# Altium PCB board_ordered.PcbDoc (part 3 of 3)
Units mm, origin at the board's own origin, x right, y up, seen from the top; angles counter-clockwise.
Board outline 100 x 60 mm, 4 copper layers (Top Layer, Mid Layer 1, Mid Layer 2, Bottom Layer), stack 1.57 mm thick; 237 components, 177 nets, 834 pads, 365 vias.
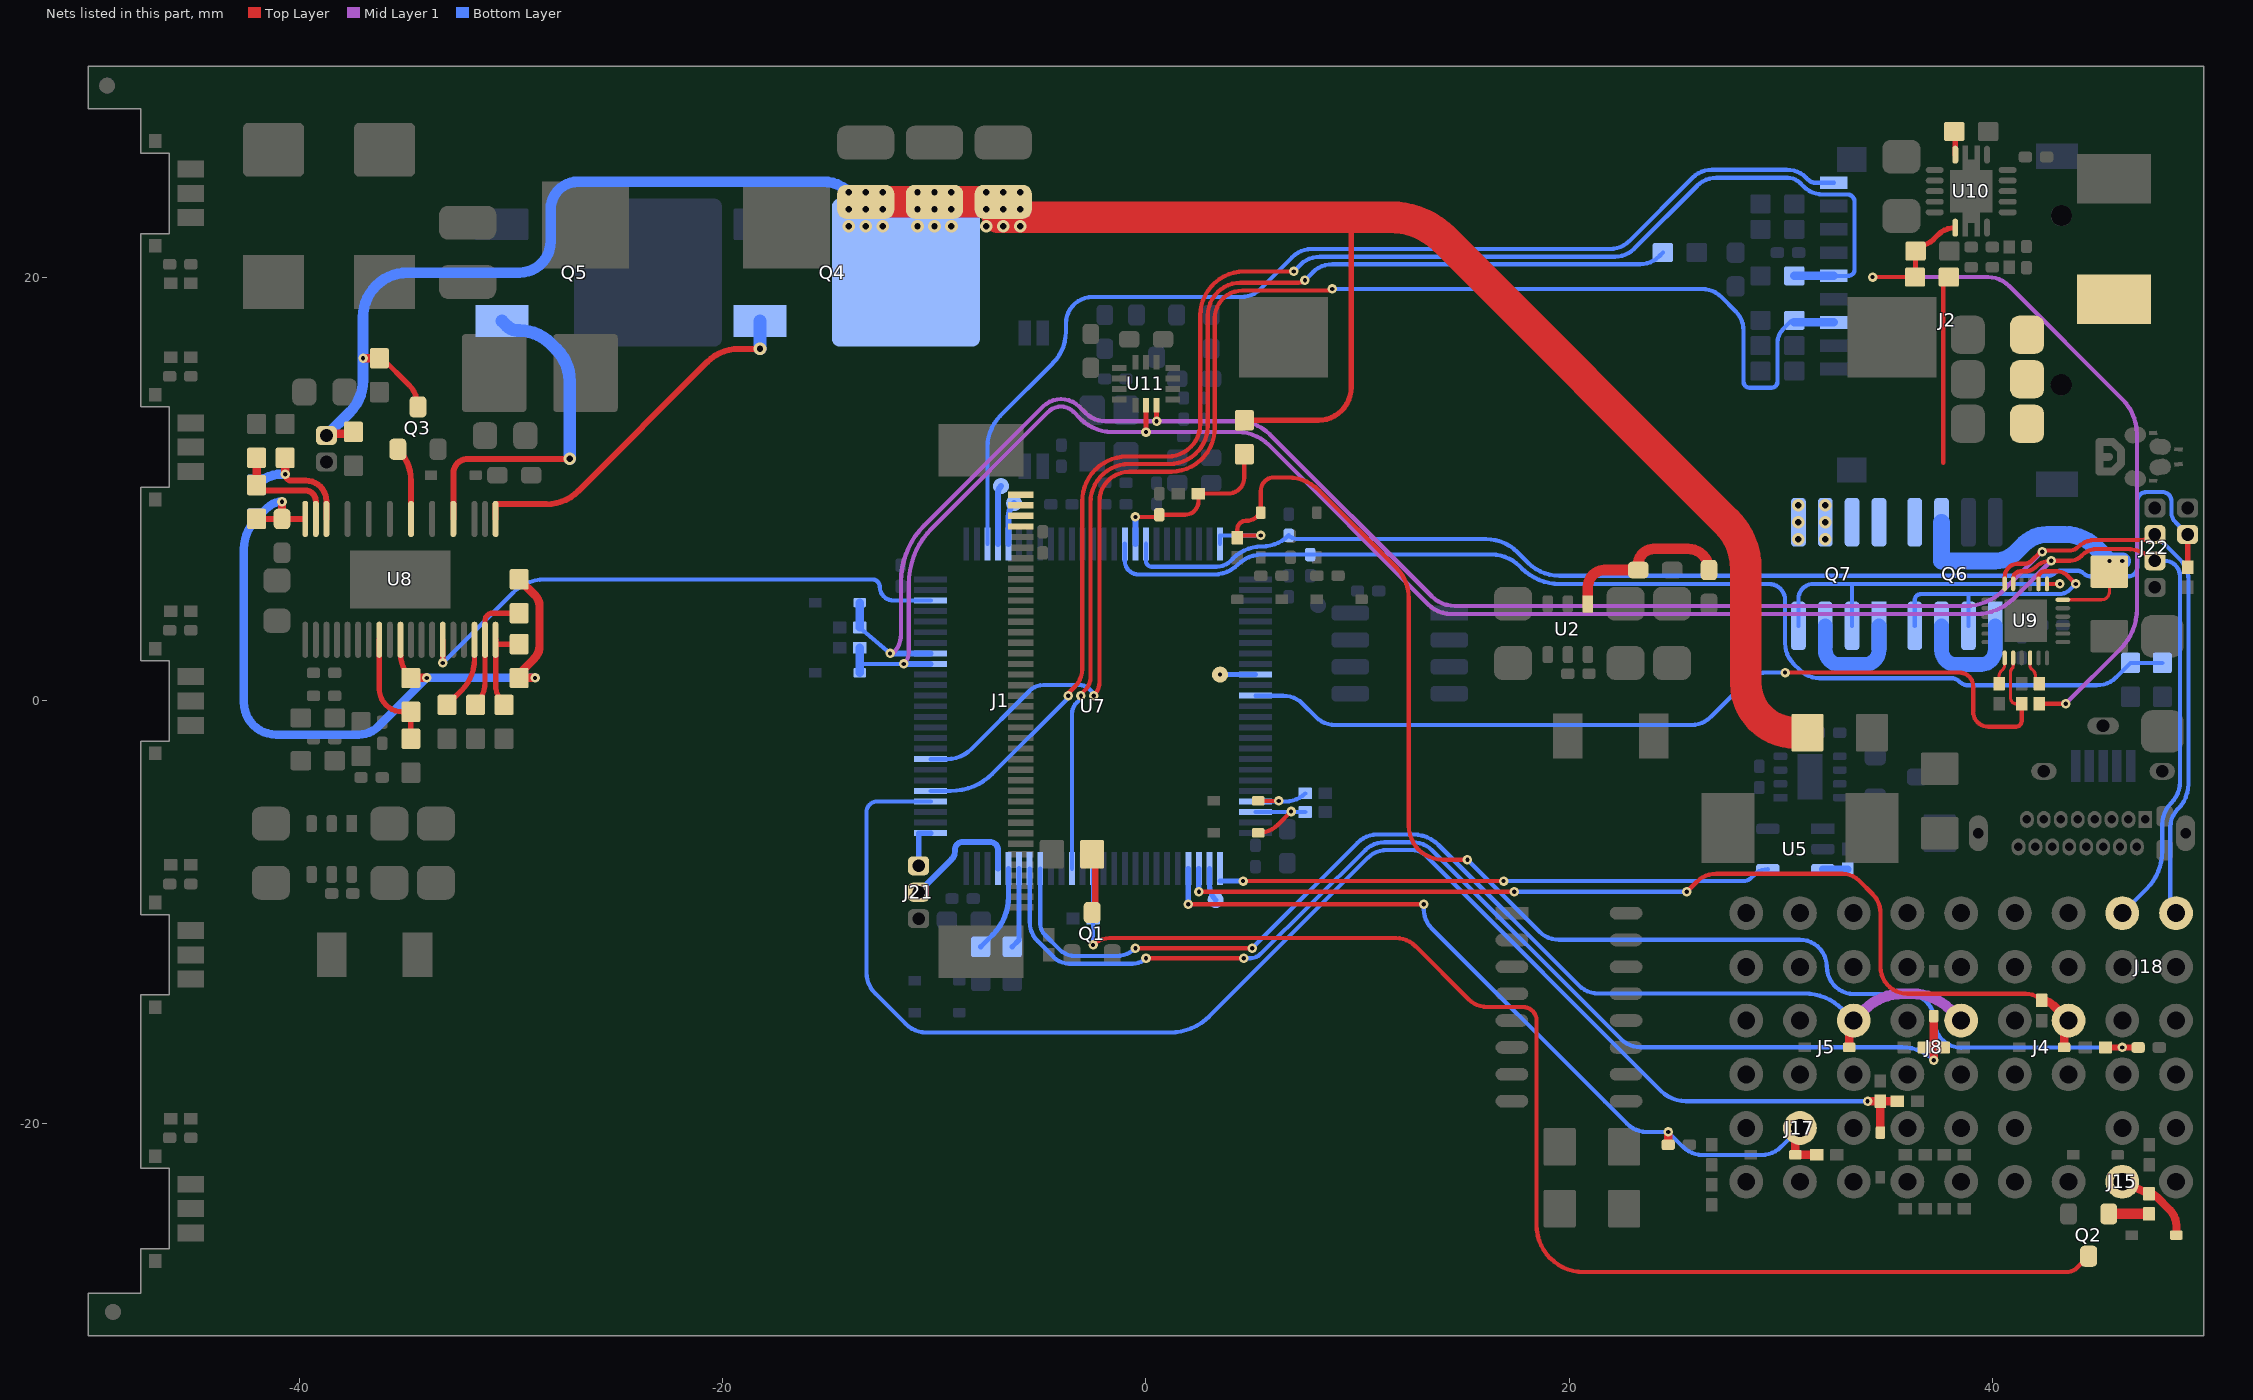
[diagram p5: the nets of this part, all layers, seen from the top]

## Via types
v1: diameter 0.45, hole 0.2, Top Layer to Bottom Layer, tented both sides, 224 vias
v2: diameter 0.6, hole 0.3, Top Layer to Bottom Layer, tented both sides, 135 vias
v3: diameter 0.61, hole 0.305, Top Layer to Bottom Layer, tented bottom, 6 vias

## Nets (pads, with @x,y where several pads share a name; then routed paths per layer and width w, separated by ;. In a path a pad name is that pad's centre, name@x,y a point inside that pad or via, vN(x,y) a via of type N, cw(c..) or ccw(c..) an arc to the next point about the centre after c; other vN are vias at no path point) (continued)
NetQ1_3: Q1.3 R12.2 | length 2.9
  Top Layer w0.3: Q1.3@-2.548,-10 -2.395,-9.847 -2.395,-7.403 R12.2@-2.548,-7.25
NetQ2_1: Q2.1 R25.2 | length 1.9
  Top Layer w0.5: Q2.1@45.52,-24.25 R25.2@47.423,-24.25
NetQ3_1: Q3.1 U8.28 | length 3.5
  Top Layer w0.28: Q3.1@-35.37,11.901 -35.368,11.899 cw(c-36.858,10.408) -34.75,10.408 U8.28@-34.75,8.607
NetQ4_1: Q4.1 U8.20 | length 17.4
  Top Layer w0.28: U8.20@-30.75,8.607 -30.75,9.304 -28.341,9.304 ccw(c-28.341,11.412) -26.85,9.921 -20.739,16.032 cw(c-19.248,14.542) -19.248,16.65 v2(-18.25,16.65)
  Bottom Layer w0.6: v2(-18.25,16.65) Q4.1@-18.25,17.964
NetQ5_1: Q5.1 U8.24 | length 16.2
  Top Layer w0.28: U8.24@-32.75,8.607 -32.75,10.75 cw(c-32.05,10.75) -32.05,11.45 v2@-27.45,11.45
  Bottom Layer w0.6: Q5.1@-30.45,17.964 -30.212,17.726 ccw(c-29.7,18.238) -29.7,17.514 -29.637,17.514 cw(c-29.637,15.406) -28.147,16.897 -27.867,16.617 cw(c-29.358,15.127) -27.866,16.616 cw(c-29.358,15.127) -27.25,15.127 v2(-27.25,11.45)
NetQ6_1: Q6.1 Q6.3 | length 5.6
  Bottom Layer w0.7: Q6.3@37.615,3.55 37.615,2.411 ccw(c38.298,2.411) 38.298,1.727 39.472,1.727 ccw(c39.472,2.411) 40.155,2.411 Q6.1@40.155,3.55
NetQ6_2: Q6.2 Q6.4 U9.14 | length 13.1
  Top Layer w0.2: U9.14@42.2,5.537 42.2,5.837 cw(c42.491,5.837) 42.491,6.129 43.068,6.129 cw(c43.068,5.408) 43.578,5.918 v1(43.958,5.537)
  Bottom Layer w0.2: Q6.4@36.345,3.55 36.345,4.769 cw(c36.63,4.769) 36.63,5.053 38.885,5.053 ; Q6.2@38.885,3.55 38.885,5.053 ; v1(43.958,5.537) 43.691,5.271 cw(c43.167,5.795) 43.167,5.053 38.885,5.053
NetQ6_5,6: Q6.5 Q6.6 Q7.7 Q7.8 R56.1 U9.12 | length 14.6
  Top Layer w0.15: U9.12@43.35,4.787 45.181,4.787 ccw(c45.181,5.156) 45.55,5.156 R56.1@45.55,6.111
  Bottom Layer w0.8: Q6.6@37.615,8.45 37.615,6.619 40.149,6.619 ccw(c40.149,7.975) 41.107,7.016 41.505,7.414 ; 41.506,7.414 cw(c42.619,6.299) 42.619,7.875 43.435,7.875 cw(c43.435,5.801) 44.902,7.268 v1(45.55,6.619) v1(46.16,6.619)
NetQ7_1: Q7.1 Q7.3 | length 5.6
  Bottom Layer w0.7: Q7.3@32.115,3.55 32.115,2.411 ccw(c32.798,2.411) 32.798,1.727 33.972,1.727 ccw(c33.972,2.411) 34.655,2.411 Q7.1@34.655,3.55
NetQ7_2: Q7.2 Q7.4 U9.13 | length 16.6
  Top Layer w0.2: U9.13@42.6,5.537 v1(43.208,5.537)
  Bottom Layer w0.2: Q7.4@30.845,3.55 30.845,4.816 cw(c31.567,4.816) 31.567,5.537 33.385,5.537 ; Q7.2@33.385,3.55 33.385,5.537 ; v1(43.208,5.537) 33.385,5.537
NetR8_1: R8.1 R9.2 U2.1 | length 8.2
  Top Layer w0.5: U2.1@20.895,4.594 20.895,5.394 cw(c21.695,5.394) 21.695,6.194 R8.1@23.273,6.194 23.273,6.463 cw(c24.001,6.463) 24.001,7.191 25.623,7.191 cw(c25.623,6.194) R9.2@26.619,6.194
NetR13_1: R13.1 U5.3 | length 1.2
  Bottom Layer w0.35: U5.3@32,-7.95 R13.1@33.173,-7.95
NetR26_1: R26.1 U7.70 | length 3.8
  Bottom Layer w0.25: R26.1@-6.324,-11.621 -6,-11.296 U7.70@-6,-7.93
NetR27_1: R27.1 U7.71 | length 4.1
  Bottom Layer w0.25: R27.1@-7.814,-11.621 -7.244,-11.051 ccw(c-9.04,-9.255) -6.5,-9.255 U7.71@-6.5,-7.93
NetR35_2: R35.2 R43.1 U8.37 | length 5.3
  Top Layer w0.28: R35.2@-42.052,10.208 -41.794,9.95 -39.75,9.95 cw(c-39.75,9.45) -39.25,9.45 U8.37@-39.25,8.607
  Top Layer w0.4: R35.2@-42.052,10.208 R43.1@-42.052,11.494
NetR36_2: R36.2 R44.1 U8.36 | length 5.8
  Top Layer w0.28: v1(-40.7,10.725) ccw(c-40.39,10.725) -40.39,10.415 -39.717,10.415 cw(c-39.717,9.449) -38.75,9.449 U8.36@-38.75,8.607
  Top Layer w0.4: v1(-40.7,10.725) R44.1@-40.7,11.494
  Bottom Layer w0.45: R36.2@-42.052,10.225 cw(c-40.845,9.018) -40.845,10.725 v1(-40.7,10.725)
NetR37_2: R37.2 R45.1 U8.18 | length 5.9
  Top Layer w0.25: R45.1@-31.696,-0.186 ccw(c-32.772,0.89) -31.25,0.89 U8.18@-31.25,2.892 -31.25,3.797 cw(c-30.898,3.797) -30.898,4.15 R37.2@-29.636,4.15
NetR38_2: R38.2 R46.1 U8.19 | length 4.3
  Top Layer w0.25: U8.19@-30.75,2.892 U8.19@-30.75,2.689 ; R46.1@-30.348,-0.186 cw(c-29.378,0.785) -30.75,0.785 U8.19@-30.75,2.689 ; R38.2@-29.636,2.689 U8.19@-30.75,2.689
NetR39_2: R39.2 R42.1 U8.8 | length 5.7
  Top Layer w0.25: U8.8@-36.25,2.892 -36.25,0.576 ccw(c-35.163,0.576) -35.163,-0.512 R39.2@-34.76,-0.512 R42.1@-34.76,-1.786
NetR52_1: R52.1 U8.17 | length 3.5
  Top Layer w0.25: R52.1@-33.044,-0.186 -32.368,0.49 ccw(c-33.858,1.981) -31.75,1.981 U8.17@-31.75,2.892
NetR58_1: R58.1 R59.2 R63.1 U10.7 | length 36.4
  Top Layer w0.2: v1(34.355,20.041) R59.2@36.36,20.041 ; R58.1@42.238,-0.131 v1(43.481,-0.131)
  Top Layer w0.25: R59.2@36.386,20.103 R63.1@36.386,21.267 ; R63.1@36.539,21.529 ccw(c36.539,22.486) 37.215,21.809 37.449,22.043 cw(c38.262,21.23) U10.7@38.262,22.38
  Mid Layer 1 w0.2: v1(34.355,20.041) 39.813,20.041 cw(c39.813,18.659) 40.79,19.636 46.171,14.255 cw(c44.533,12.616) 46.85,12.616 46.85,4.333 cw(c44.209,4.333) 46.076,2.465 v1(43.481,-0.131)
NetR58_2: R58.2 U9.4 | length 1.4
  Top Layer w0.15: U9.4@41.8,2.037 41.8,1.671 ccw(c42.012,1.671) 41.862,1.522 41.966,1.417 cw(c41.764,1.214) 42.05,1.214 ccw(c42.546,1.214) 42.196,0.864 R58.2@42.238,0.821
NetR61_1: R61.1 U9.1 | length 1.3
  Top Layer w0.15: R61.1@40.335,0.821 40.335,1.176 cw(c40.681,1.176) 40.437,1.42 40.5,1.484 ccw(c40.259,1.725) 40.6,1.725 U9.1@40.6,2.037
NetR62_2: R62.2 U10.1 | length 1.1
  Top Layer w0.25: R62.2@38.215,26.924 cw(c38.215,26.874) 38.265,26.874 U10.1@38.265,25.829
NetTP5_1: TP5.1 U7.35 | length 1.7
  Bottom Layer w0.25: v1(3.5,1.25) U7.35@5.18,1.25
NetTP7_1: TP7.1 U7.52 | length 1.6
  Bottom Layer w0.25: U7.52@3,-7.93 3,-8.698 ccw(c4.005,-8.698) TP7.1@3.294,-9.408
NetTP8_1: TP8.1 U7.4 | length 2.8
  Bottom Layer w0.28: U7.4@-7,7.43 -7,9.813 cw(c-6.506,9.813) TP8.1@-6.855,10.162
NetTP9_1: TP9.1 U7.5 | length 2
  Bottom Layer w0.28: U7.5@-6.5,7.43 -6.5,8.715 cw(c-5.595,8.715) TP9.1@-6.235,9.355
NTC: C74.2 J23.1 R71.2 U7.18 | length 57.9
  Top Layer w0.25: R71.2@49.25,6.327 J23.1@49.25,7.875
  Bottom Layer w0.2: U7.18@0,7.43 0,6.613 ccw(c0.262,6.613) 0.262,6.351 3.348,6.351 ccw(c3.348,7.274) 4,6.621 4.125,6.745 cw(c5.474,5.396) 5.474,7.304 ccw(c5.474,9.102) C74.2@6.746,7.831 ccw(c7.176,8.261) 7.176,7.653 16.073,7.653 cw(c16.073,5.545) 17.563,7.037 cw(c16.073,5.545) 17.564,7.036 18.061,6.539 ccw(c19.551,8.029) 18.062,6.538 ccw(c19.551,8.029) 19.551,5.921 42.657,5.921 ccw(c42.657,6.331) 42.947,6.041 cw(c43.237,5.751) 43.237,6.161 44.015,6.161 cw(c44.015,5.703) 44.339,6.027 ; 44.339,6.027 ccw(c44.663,6.351) 44.663,5.893 46.45,5.893 ccw(c46.45,6.306) 46.863,6.306 46.863,9.435 cw(c47.308,9.435) 47.308,9.88 48.05,9.88 cw(c48.05,9.449) 48.481,9.449 48.481,8.915 ccw(c49.136,8.915) 48.673,8.452 J23.1@49.25,7.875
PGOOD: U7.98 U8.14 | length 26.3
  Top Layer w0.28: v1(-33.25,1.8) U8.14@-33.25,2.892
  Bottom Layer w0.2: v1(-33.25,1.8) -29.918,5.133 cw(c-28.427,3.642) -29.917,5.134 cw(c-28.427,3.642) -28.427,5.75 -12.945,5.75 cw(c-12.945,5.387) -12.583,5.387 ccw(c-11.945,5.387) -11.945,4.75 U7.98@-10.18,4.75
RX_BTN_0: D4.2 R18.2 R19.2 U7.79 | length 70.7
  Top Layer w0.4: v1(34.115,-18.92) R18.2@34.723,-18.92 ; D4.2@34.723,-20.405 R18.2@34.723,-18.92 ; R19.2@35.524,-18.92 R18.2@34.723,-18.92
  Bottom Layer w0.2: U7.79@-10.18,-4.75 -12.704,-4.75 ccw(c-12.704,-5.261) -13.215,-5.261 -13.215,-12.845 ccw(c-11.844,-12.845) -12.814,-13.815 -11.355,-15.274 ccw(c-10.385,-14.304) -10.385,-15.675 1.133,-15.675 ccw(c1.133,-13.034) 3.001,-14.902 10.481,-7.422 cw(c11.397,-8.338) 11.397,-7.043 12.568,-7.043 cw(c12.568,-7.986) 13.235,-7.319 24.355,-18.439 ccw(c25.516,-17.278) 25.516,-18.92 v1(34.115,-18.92)
RX_BTN_1: D6.2 R20.2 R21.2 U7.69 | length 55.6
  Top Layer w0.2: v1(0,-12.16) v1(4.618,-12.16)
  Top Layer w0.4: R21.2@36.799,-16.38 37.244,-16.38 ; v1(37.244,-16.988) 37.244,-16.38 ; D6.2@37.244,-14.895 37.244,-16.38 ; R20.2@37.689,-16.38 37.244,-16.38
  Bottom Layer w0.2: U7.69@-5.5,-7.93 -5.5,-10.439 ccw(c-4.205,-10.439) -5.121,-11.355 -4.364,-12.112 ccw(c-3.619,-11.368) -3.619,-12.421 -0.629,-12.421 ccw(c-0.629,-11.53) v1(0,-12.16) ; v1(4.618,-12.16) 4.947,-12.162 ccw(c4.947,-11.537) 5.389,-11.979 10.361,-7.064 ; 10.356,-7.058 cw(c11.272,-7.974) 11.272,-6.679 12.61,-6.679 cw(c12.61,-7.974) 13.526,-7.058 22.456,-15.988 ccw(c23.372,-15.072) 23.372,-16.368 35.746,-16.368 cw(c35.746,-18.486) v1(37.244,-16.988)
RX_GPS: D18.2 R49.2 U7.48 | length 4.3
  Top Layer w0.2: D18.2@5.305,-6.235 ccw(c5.305,-4.921) 6.234,-5.85 v1(6.86,-5.225)
  Bottom Layer w0.2: U7.48@5.18,-5.25 R49.2@7.524,-5.25
SCL: D16.2 J18.1 J22.2 R23.1 U7.92 U9.17 U11.13 | length 98.6
  Top Layer w0.2: U9.17@41,5.537 41,5.785 cw(c41.344,5.785) 41.344,6.129 41.573,6.129 ccw(c41.573,6.805) 42.05,6.327 cw(c42.777,5.6) 42.777,6.628 v1(42.803,6.628) 43.687,6.628 ccw(c43.687,7.372) 44.213,6.846 44.267,6.9 cw(c44.969,6.198) 44.969,7.191 46.335,7.191 cw(c46.335,5.26) J22.2@47.7,6.625
  Top Layer w0.25: v1(0,12.717) U11.13@0,13.987
  Mid Layer 1 w0.2: v1(-11.45,1.75) ccw(c-12.006,2.306) -11.22,2.306 -11.22,5.519 cw(c-7.471,5.519) -10.122,8.17 -4.626,13.665 cw(c-4.013,13.052) -4.013,13.919 cw(c-4.013,13.103) -3.436,13.68 -3.091,13.335 ccw(c-1.6,14.825) -1.6,12.717 v1(0,12.717) 4.319,12.717 cw(c4.319,10.609) 5.81,12.1 13.339,4.571 ; 13.339,4.571 ccw(c14.439,5.671) 14.439,4.115 39.238,4.115 ccw(c39.238,6.655) 41.034,4.859 v1(42.803,6.628)
  Bottom Layer w0.2: -13.536,1.75 v1(-11.45,1.75) ; J18.1@46.16,-10.03 47.306,-8.884 ccw(c45.51,-7.088) 48.05,-7.088 48.05,-5.842 cw(c49.477,-5.842) 48.468,-4.833 ; J22.2@47.7,6.625 48.167,6.625 cw(c48.167,5.906) 48.886,5.906 48.886,-3.823 cw(c47.459,-3.823) 48.468,-4.832
  Bottom Layer w0.28: v1(-11.45,1.75) U7.92@-10.18,1.75
  Bottom Layer w0.4: D16.2@-13.536,1.335 -13.536,1.75 R23.1@-13.536,2.512
SD_DET: J2.9 U7.3 | length 51.2
  Bottom Layer w0.2: U7.3@-7.5,7.43 -7.5,12.001 cw(c-5.392,12.001) -6.884,13.491 cw(c-5.392,12.001) -6.883,13.492 -4.405,15.97 ccw(c-5.895,17.46) -4.404,15.97 ccw(c-5.895,17.46) -3.787,17.46 -3.787,17.842 cw(c-2.529,17.842) -2.529,19.1 4.492,19.1 ccw(c4.492,20.396) 5.408,19.48 6.918,20.99 cw(c7.834,20.074) 7.834,21.369 21.936,21.369 ccw(c21.936,22.665) 22.852,21.749 25.845,24.741 cw(c26.761,23.825) 26.761,25.121 30.296,25.121 cw(c30.296,23.825) 31.212,24.741 31.307,24.646 ccw(c31.661,25) 31.661,24.499 J2.9@32.524,24.499
SDA: D17.2 J18.2 J22.3 R24.1 U7.93 U9.18 U11.14 | length 99.3
  Top Layer w0.2: U9.18@40.6,5.537 40.6,5.874 cw(c41.21,5.874) 41.21,6.484 41.515,6.484 ccw(c41.515,6.975) 41.862,6.628 42.239,7.005 cw(c42.372,6.872) v1(42.372,7.06) cw(c42.5,6.932) 42.5,7.113 43.661,7.113 ccw(c43.661,7.682) 44.063,7.28 cw(c44.859,6.484) 44.859,7.609 47.058,7.609 ccw(c47.058,8.517) J22.3@47.7,7.875
  Top Layer w0.25: v1(0.5,13.225) U11.14@0.5,13.987
  Mid Layer 1 w0.2: v1@-11.957,2.251 ccw(c-12.867,3.159) -11.581,3.159 -11.581,5.653 cw(c-7.832,5.653) -10.483,8.304 -4.866,13.922 cw(c-4.013,13.069) -4.013,14.275 cw(c-4.013,13.068) -3.16,13.921 -2.848,13.61 ccw(c-1.92,14.538) -1.92,13.225 v1(0.5,13.225) 4.361,13.225 cw(c4.361,11.117) 5.851,12.609 cw(c4.361,11.117) 5.852,12.608 13.508,4.952 ccw(c14.609,6.052) 14.609,4.496 38.755,4.496 ccw(c38.755,7.036) 40.552,5.24 v1(42.372,7.06)
  Bottom Layer w0.2: R24.1@-13.536,3.475 v1(-12.101,2.25) ; J22.3@47.7,7.875 48.886,6.689 cw(c47.923,5.726) 49.285,5.726 49.285,-3.921 cw(c47.62,-3.921) 48.797,-5.098 48.784,-5.112 ccw(c49.634,-5.962) 48.431,-5.962 48.431,-9.761 J18.2@48.7,-10.03
  Bottom Layer w0.28: v1(-12.101,2.25) U7.93@-10.18,2.25
  Bottom Layer w0.4: R24.1@-13.536,3.475 D17.2@-13.536,4.651
SDIO_CLK: J2.5 R1.1 U7.80 | length 71
  Top Layer w0.2: v1(-3.677,0.25) -3.677,0.368 -3.346,0.7 ; -3.345,0.701 ccw(c-4.146,1.5) -3.014,1.5 -3.014,9.449 cw(c-0.906,9.449) -0.906,11.557 1.022,11.557 ccw(c1.022,13.105) 2.569,13.105 2.569,18.23 cw(c4.649,18.23) 4.649,20.31 v1(6.984,20.31)
  Bottom Layer w0.2: U7.80@-10.18,-4.25 -9.228,-4.25 ccw(c-9.228,-1.465) -7.259,-3.434 -3.677,0.148 v1(-3.677,0.25) ; v1(6.984,20.31) 7.301,20.626 cw(c8.217,19.71) 8.217,21.006 22.171,21.006 ccw(c22.171,22.301) 23.087,21.385 26.062,24.36 cw(c26.978,23.444) 26.978,24.74 30.335,24.74 cw(c30.335,23.92) 30.915,24.499 31.083,24.33 ccw(c31.999,25.246) 31.68,23.991 ccw(c31.999,25.246) 31.999,23.951 33.149,23.951 cw(c33.149,23.6) 33.5,23.6 33.5,20.398 cw(c33.202,20.398) 33.202,20.1 J2.5@32.524,20.099
  Bottom Layer w0.4: R1.1@30.654,20.099 31.817,20.099 ccw(c31.817,22.639) 31.821,20.099 J2.5@32.524,20.099
SDIO_CMD: J2.3 R2.1 U7.83 | length 67.4
  Top Layer w0.2: v1(-2.472,0.25) ccw(c-3.126,0.904) -2.201,0.904 -2.201,9.432 cw(c-0.792,9.432) -0.792,10.841 1.2,10.841 ccw(c1.176,12.92) 3.255,12.92 3.255,18.111 cw(c4.548,18.111) 4.548,19.404 v1@8.803,19.404
  Bottom Layer w0.2: U7.83@-10.18,-2.75 -9.412,-2.75 ccw(c-9.412,-1.113) -8.254,-2.271 -5.499,0.485 cw(c-4.858,-0.156) -4.858,0.75 -3.138,0.75 cw(c-3.138,0.084) -2.668,0.555 ; -2.667,0.555 -2.472,0.36 v1(-2.472,0.25) ; v1(8.803,19.48) 26.288,19.48 cw(c26.288,18.184) 27.204,19.1 27.874,18.43 cw(c26.958,17.514) 28.254,17.514 28.254,15.086 ccw(c28.526,15.086) 28.526,14.814 29.582,14.814 ccw(c29.582,15.086) 29.854,15.086 29.854,16.936 cw(c30.769,16.936) 30.122,17.583 R2.1@30.457,17.918 ; R2.1@30.457,17.918 cw(c30.654,17.72) R2.1@30.654,17.999
  Bottom Layer w0.4: R2.1@30.654,17.899 J2.3@32.524,17.899
SDIO_D0: R7.2 U7.65 | length 53.3
  Top Layer w0.2: v1(-3.075,0.25) -3.075,0.32 -2.852,0.542 ; -2.852,0.543 ccw(c-3.389,1.079) -2.63,1.079 -2.63,9.368 cw(c-0.791,9.368) -0.791,11.207 1.11,11.207 ccw(c1.11,13.021) 2.923,13.021 2.923,18.227 cw(c4.473,18.227) 4.473,19.777 7.227,19.777 ccw(c7.227,20.18) v1(7.512,19.895)
  Bottom Layer w0.2: U7.65@-3.5,-7.93 -3.5,-0.601 cw(c-2.774,-0.601) -3.287,-0.087 -3.075,0.125 v1(-3.075,0.25) ; v1(7.512,19.895) 7.888,20.271 cw(c8.804,19.355) 8.804,20.65 23.353,20.65 ccw(c23.353,21.946) 24.269,21.03 R7.2@24.439,21.199
SNS_SRV: C13.2 D1.2 R11.1 R14.2 U7.25 | length 67.8
  Top Layer w0.2: v1(5.428,7.828) 4.563,7.828 ccw(c4.563,7.481) R14.2@4.318,7.726 4.318,8.122 cw(c4.713,8.122) 4.713,8.518 4.745,8.518 ccw(c4.745,9.234) 5.252,8.727 D1.2@5.428,8.903 5.428,9.939 cw(c6.06,9.939) 6.06,10.571 6.697,10.571 cw(c6.697,8.463) 8.187,9.954 11.809,6.332 cw(c10.318,4.842) 11.81,6.331 cw(c10.318,4.842) 12.426,4.842 12.426,-5.904 ccw(c14.026,-5.904) 14.026,-7.503 v1(15.194,-7.503)
  Top Layer w0.3: R11.1@45.366,-16.38 v1(46.16,-16.38) C13.2@46.906,-16.38
  Bottom Layer w0.2: U7.25@3.5,7.43 3.5,7.828 v1(5.428,7.828) ; v1(15.194,-7.503) 18.6,-10.908 ccw(c19.515,-9.992) 19.515,-11.288 30.913,-11.288 cw(c30.913,-12.558) 32.183,-12.558 ; 32.196,-12.582 ccw(c33.466,-12.582) 33.466,-13.852 36.006,-13.852 cw(c36.006,-15.122) 37.112,-14.498 cw(c36.006,-15.122) 37.276,-15.122 ccw(c38.546,-15.122) 38.546,-16.392 v1(46.16,-16.38)
SNS_USB: C40.2 R54.2 R55.1 U7.16 | length 54.7
  Bottom Layer w0.2: U7.16@-1,7.43 -1,6.619 ccw(c-0.365,6.619) -0.365,5.984 3.217,5.984 ccw(c3.217,7.587) 4.35,6.453 ; 4.35,6.453 cw(c5.484,5.32) 5.484,6.923 C40.2@7.762,6.923 16.343,6.923 cw(c16.343,5.058) 17.661,6.377 cw(c16.343,5.058) 17.662,6.376 17.759,6.28 ccw(c19.561,8.082) 19.561,5.533 29.453,5.533 cw(c29.453,4.769) 30.218,4.769 30.218,2.725 ccw(c31.589,2.725) 30.618,1.756 ; 30.619,1.755 30.915,1.46 ccw(c31.831,2.376) 31.831,1.08 38.061,1.08 cw(c38.061,0.508) 38.466,0.913 ccw(c38.885,1.332) 38.885,0.739 44.952,0.739 ccw(c44.952,2.034) 45.868,1.118 R55.1@46.55,1.8 R54.2@48.05,1.8
SNS_VB: C72.2 R67.2 R69.1 U7.17 | length 8.7
  Top Layer w0.2: v1(-0.5,8.7) 0.526,8.7 ccw(c0.526,8.806) C72.2@0.632,8.806 1.851,8.806 ccw(c1.851,9.432) 2.476,9.432 R69.1@2.476,9.806 3.883,9.806 ccw(c3.883,10.571) 4.648,10.571 R67.2@4.648,11.671
  Bottom Layer w0.28: U7.17@-0.5,7.43 v1(-0.5,8.7)
SRV_PWM: D2.2 J4.2 R10.1 U7.53 | length 48.5
  Top Layer w0.2: v1(2.5,-9.022) v1(17.407,-9.022) ; v1(25.566,-9.022) 26.041,-8.547 cw(c26.957,-9.463) 26.957,-8.168 32.934,-8.168 cw(c32.934,-9.262) 33.707,-8.489 34.358,-9.139 cw(c33.46,-10.037) 34.73,-10.037 34.73,-12.57 ccw(c36,-12.57) 36,-13.84 ; 36.006,-13.84 41.582,-13.84 cw(c41.582,-14.926) R10.1@42.35,-14.158
  Top Layer w0.4: R10.1@42.35,-14.158 cw(c42.35,-14.926) 42.892,-14.383 J4.2@43.62,-15.11 43.405,-15.325 D2.2@43.405,-16.38
  Bottom Layer w0.2: v1(17.407,-9.022) v1(25.566,-9.022)
  Bottom Layer w0.25: v1(2.5,-9.022) U7.53@2.5,-7.93
SRV_PWR_EN: U5.4 U7.51 | length 26.1
  Top Layer w0.2: v1(4.592,-8.514) v1(16.906,-8.514)
  Bottom Layer w0.2: v1(16.906,-8.514) 28.249,-8.514 ccw(c28.249,-8.006) 28.609,-8.365 28.757,-8.217 cw(c29.4,-8.859) U5.4@29.4,-7.95
  Bottom Layer w0.25: U7.51@3.5,-8.514 v1(4.592,-8.514)
SWCLK: J21.1 U7.76 | length 2.1
  Bottom Layer w0.254: J21.1@-10.75,-7.792 -10.75,-6.25 U7.76@-10.18,-6.25
SWDIO: J21.2 U7.72 | length 6
  Bottom Layer w0.28: J21.2@-10.75,-9.042 -9.186,-7.478 ccw(c-9.548,-7.116) -9.036,-7.116 -9.036,-7.044 cw(c-8.651,-7.044) -8.651,-6.659 -7.385,-6.659 cw(c-7.385,-7.044) -7,-7.044 U7.72@-7,-7.93
TACHO: Q2.3 R22.1 U7.63 | length 63.6
  Top Layer w0.2: v1(-2.5,-11.533) cw(c-1.724,-12.309) -1.724,-11.212 11.818,-11.212 cw(c11.818,-12.507) 12.734,-11.591 15.234,-14.091 ccw(c16.15,-13.175) 16.15,-14.471 17.827,-14.471 cw(c17.827,-15.11) 18.466,-15.11 18.466,-24.776 ccw(c20.692,-24.776) 20.692,-27.002 43.517,-27.002 ccw(c43.517,-26.277) 44.03,-26.79 Q2.3@44.57,-26.25
  Bottom Layer w0.2: v1(-2.5,-11.533) R22.1@-2.5,-10.286 U7.63@-2.5,-7.93
TACHO_I: D12.2 J15.2 R25.1 | length 3.9
  Top Layer w0.381: J15.2@46.16,-22.73 R25.1@47.423,-23.298 cw(c47.423,-23.827) 47.797,-23.453 48.403,-24.059 ; 48.403,-24.059 cw(c47.652,-24.81) 48.714,-24.81 D12.2@48.714,-25.25
TX_BTN: D7.2 J5.2 J8.2 U7.68 | length 54.8
  Top Layer w0.2: v1(-0.5,-11.686) v1(5.024,-11.686)
  Top Layer w0.4: D7.2@33.245,-16.38 33.245,-15.325 J5.2@33.46,-15.11
  Mid Layer 1 w0.5: J5.2@33.46,-15.11 33.986,-14.584 cw(c35.782,-16.38) 35.782,-13.84 36.217,-13.84 cw(c36.217,-16.38) 38.014,-14.584 J8.2@38.54,-15.11
  Bottom Layer w0.2: U7.68@-5,-7.93 -5,-10.544 ccw(c-4.284,-10.544) -4.79,-11.051 -4.094,-11.747 ccw(c-3.35,-11.003) -3.35,-12.055 -1.392,-12.055 ccw(c-1.392,-10.794) v1(-0.5,-11.686) ; v1@-0.445,-11.755 v1@-0.371,-11.695 ; v1(5.024,-11.686) 10.016,-6.694 cw(c10.932,-7.61) 10.932,-6.315 12.65,-6.315 cw(c12.65,-7.967) 13.818,-6.799 20.468,-13.448 ccw(c21.384,-12.532) 21.384,-13.828 31.125,-13.828 cw(c31.125,-16.368) 32.921,-14.572 J5.2@33.46,-15.11
TX_GPS: D15.2 R48.1 U7.47 | length 3.4
  Top Layer w0.2: D15.2@5.305,-4.725 v1(6.272,-4.725)
  Bottom Layer w0.2: U7.47@5.18,-4.75 6.606,-4.75 ccw(c6.606,-3.452) R48.1@7.524,-4.37
USB_PD_EN: R57.2 U7.37 U9.2 | length 43.2
  Top Layer w0.15: U9.2@41,2.037 41,1.672 cw(c40.788,1.672) 40.938,1.522 ccw(c41.084,1.376) 40.878,1.376 40.878,0.131 ccw(c41.139,0.131) 41.139,-0.131 R57.2@41.4,-0.131
  Top Layer w0.2: v1(30.218,1.346) 38.456,1.346 cw(c38.456,0.696) 39.107,0.696 39.107,-0.506 ccw(c39.817,-0.506) 39.817,-1.216 41.131,-1.216 ccw(c41.131,-0.946) 41.4,-0.946 R57.2@41.4,-0.131
  Bottom Layer w0.2: U7.37@5.18,0.25 6.487,0.25 cw(c6.487,-1.045) 7.403,-0.129 8.033,-0.759 ccw(c8.949,0.157) 8.949,-1.138 25.784,-1.138 ccw(c25.784,0.157) 26.7,-0.759 28.425,0.967 cw(c29.341,0.051) 29.341,1.346 v1(30.218,1.346)
Vb: C19.2 C20.2 C21.2 F1.1 J12.1 Q3.3 Q4.2 R28.1 R33.1 R67.1 | length 111.5
  Top Layer w0.25: R28.1@-36.25,16.204 -36.11,16.204 -34.854,14.948 cw(c-35.9,13.901) Q3.3@-34.42,13.901 ; R67.1@4.648,13.271 8.148,13.271 ccw(c8.148,14.826) 9.703,14.826 9.703,22.876
  Top Layer w0.4: J12.1@-38.75,12.64 R33.1@-37.56,12.64 ; v1(-37.019,16.204) R28.1@-36.25,16.204
  Top Layer w1.5: C20.2@-13.25,23.6 C19.2@-10,23.6 C21.2@-6.75,23.6 ; C21.2@-7,22.876 9.703,22.876 11.553,22.876 cw(c11.553,19.279) 14.096,21.823 27.444,8.475 cw(c25.235,6.266) 28.359,6.266 28.359,0.834 ccw(c30.688,0.834) F1.1@31.253,-1.426
  Bottom Layer w0.5: J12.1@-38.75,12.55 -37.636,13.664 ccw(c-39.127,15.154) -37.019,15.154 v1(-37.019,16.204) -37.019,18.142 cw(c-34.911,18.142) -34.911,20.25 -29.637,20.25 ccw(c-29.637,21.741) -28.147,21.741 -28.147,23.25 cw(c-26.844,23.25) -26.844,24.552 -15.263,24.552 cw(c-15.263,22.837) v2(-14.05,24.05)
  other v2: -14.05,22.45 -13.25,22.45 -12.45,22.45 -10.8,22.45 -10,22.45 -9.2,22.45 -7.55,22.45 -6.75,22.45 -5.95,22.45 -14.05,23.25 -13.25,23.25 -12.45,23.25 -10.8,23.25 -10,23.25 -9.2,23.25 -7.55,23.25 -6.75,23.25 -5.95,23.25 -13.25,24.05 -12.45,24.05 -10.8,24.05 -10,24.05 -9.2,24.05 -7.55,24.05 -6.75,24.05 -5.95,24.05
Vint: C23.2 R35.1 R36.1 R37.1 R38.1 R39.1 U8.10 U8.38 | length 38
  Top Layer w0.25: U8.10@-35.25,2.892 -35.25,2.271 ccw(c-33.577,2.271) R39.1@-34.76,1.088
  Top Layer w0.28: R35.1@-42.052,8.607 C23.2@-40.85,8.607 U8.38@-39.75,8.607
  Top Layer w0.4: C23.2@-40.85,8.607 v1(-40.85,9.425) ; R39.1@-34.76,1.088 v1(-34.01,1.088) ; R37.1@-29.636,5.75 -28.879,4.993 cw(c-29.372,4.5) -28.675,4.5 -28.675,2.615 cw(c-29.572,2.615) -28.937,1.981 ; -28.938,1.981 -29.636,1.283 R38.1@-29.636,1.088 v1(-28.886,1.088)
  Bottom Layer w0.4: v1(-40.85,9.425) ccw(c-40.85,8.454) -41.536,9.141 R36.1@-42.052,8.625 ccw(c-40.609,7.181) -42.65,7.181 -42.65,-0.07 ccw(c-41.133,-0.07) -41.133,-1.588 -37.213,-1.588 ccw(c-37.213,-0.317) -36.314,-1.216 v1(-34.01,1.088) v1(-28.886,1.088)
Vusb: C51.2 C52.2 C53.2 L5.2 Q7.5 Q7.6 R59.1 | length 8.6
  Top Layer w0.2: 37.694,11.269 R59.1@37.694,19.878
  other v2: 30.845,7.648 32.115,7.648 30.845,8.45 32.115,8.45 30.845,9.252 32.115,9.252
WS2812: C30.2 D14.2 J17.2 R47.1 U7.54 | length 39.2
  Top Layer w0.2: v1(2,-9.61) v1(13.133,-9.61)
  Top Layer w0.4: C30.2@24.687,-20.984 v1(24.687,-20.376) ; J17.2@30.92,-20.19 30.705,-20.405 D14.2@30.705,-21.46 R47.1@31.714,-21.46
  Bottom Layer w0.2: v1(13.133,-9.61) 13.133,-9.835 ccw(c14.428,-9.835) 13.512,-10.751 21.681,-18.92 22.757,-19.996 ccw(c23.673,-19.08) 23.673,-20.376 v1(24.687,-20.376) 25.392,-21.081 ccw(c26.308,-20.165) 26.308,-21.46 29.113,-21.46 ccw(c29.113,-20.165) 30.029,-21.081 J17.2@30.92,-20.19
  Bottom Layer w0.25: v1(2,-9.61) U7.54@2,-7.93
X+: J1.3
X-: J1.1
Y+: J1.4
Y-: J1.2
pads on no net: J1.8 J2. J19.4 J20.A8 J20.B8 LOGO?. SW1.2 SW2.2 SW3.2 SW4.2 SW5.2 U7.7 U7.15 U7.66 U8.2 U8.11 U8.13 U9.5 U9.6 U9.7 U9.15 U9.20 U9.21 U9.22 U9.23 U9.24 U10.10 U11.4 U11.9 U11.10 U11.11

## Polygon pours and split planes (outlines as drawn)
GND on Top Layer "NONET_L02_P-001" (solid, remove dead copper, pour order 36): -29.453,-4.016 ccw(c-29.453,-2.533) -27.97,-2.533 -27.97,4.719 ccw(c-30.51,4.719) -30.51,7.259 -41.883,7.259 ccw(c-41.883,6.25) -42.892,6.25 -42.892,-3.369 ccw(c-42.245,-3.369) -42.245,-4.016
GND on Top Layer "NONET_L02_P-001" (solid, remove dead copper, pour order 30): 13.3,17.987 ccw(c10.658,17.987) 10.658,20.629 -3.087,20.629 ccw(c-3.087,14.091) -7.71,18.714 -14.174,12.25 ccw(c-9.162,7.238) -16.25,7.238 -16.25,3.098 -16.25,-13.378 ccw(c-14.878,-13.378) -14.878,-14.75 11.928,-14.75 ccw(c11.928,-13.378) 13.3,-13.378
GND on Top Layer "NONET_L02_P-001" (solid, pour order 49): -44,-15.296 -24.069,-15.296 -13.523,-4.75 -11.475,-4.75 -11.475,-11.78 -9.416,-13.84 13.005,-13.84 18.466,-19.301 18.466,-28 -44,-28
GND on Top Layer "NONET_L02_P-001" (solid, remove dead copper, pour order 48): 49.97,-24 27.11,-24 27.11,-8.76 49.97,-8.76
EARTH0 on Top Layer "NONET_L02_P-001" (solid, pour order 44): 50,28.067 -50,28.067 -50,30 50,30
EARTH1 on Top Layer "NONET_L02_P-001" (solid, pour order 42): -50,-28.067 50,-28.067 50,-30 -50,-30
GND on Top Layer "NONET_L02_P-001" (solid, remove dead copper, pour order 41): 33.249,27.865 33.249,12.662 ccw(c33.884,12.662) 33.884,12.027 39.956,12.027 ccw(c39.956,12.662) 40.591,12.662 40.591,18.002 cw(c41.226,18.002) 40.777,18.451 42.014,19.687 ccw(c41.565,20.136) 42.2,20.136 42.2,27.865
GND on Top Layer "NONET_L02_P-001" (solid, remove dead copper, pour order 37): 14.05,25 ccw(c14.05,26.4) 15.45,26.4 15.45,27.63 -43.784,27.63 -43.784,22.534 ccw(c-42.775,22.534) -42.775,21.525 -30.008,21.525 ccw(c-30.008,22.391) -29.142,22.391 -29.142,24.199 cw(c-28.341,24.199) -28.341,25
GND on Top Layer "NONET_L02_P-001" (solid, remove dead copper, pour order 35): -33.172,-4.016 -41.589,-4.016 ccw(c-41.589,-4.721) -42.295,-4.721 -42.295,-9.5 ccw(c-41.746,-9.5) -41.746,-10.048 -33.102,-10.048 ccw(c-33.102,-9.35) -32.404,-9.35 -32.404,-4.783 ccw(c-33.172,-4.783)
GND on Top Layer "NONET_L02_P-001" (solid, remove dead copper, pour order 34): 25.273,6.628 16.856,6.628 ccw(c16.856,5.923) 16.15,5.923 16.15,1.144 ccw(c16.699,1.144) 16.699,0.596 25.343,0.596 ccw(c25.343,1.294) 26.041,1.294 26.041,5.86 ccw(c25.273,5.86)
GND on Top Layer "NONET_L02_P-001" (solid, remove dead copper, pour order 29): 1.58,18.542 1.58,14.094 -3.346,14.094 -3.346,15.634 -3.346,17.89 cw(c-2.693,17.89) -2.693,18.542
GND on Bottom Layer "NONET_L02_P-001" (solid, pour order 52): 18.466,-22.22 ccw(c15.926,-22.22) 17.722,-20.424 14.911,-17.613 ccw(c13.115,-19.409) 13.115,-16.869 -13.897,-16.869 cw(c-13.897,-14.329) -15.693,-16.125 -20.094,-11.724 ccw(c-21.89,-13.52) -21.89,-10.98 -41.46,-10.98 ccw(c-41.46,-13.52) -44,-13.52 -44,-28 18.466,-28
GND on Bottom Layer "NONET_L02_P-001" (solid, remove dead copper, pour order 51): 14.05,25 ccw(c14.05,26.4) 15.45,26.4 15.45,27.63 -43.784,27.63 -43.784,22.534 ccw(c-42.775,22.534) -42.775,21.525 -30.008,21.525 ccw(c-30.008,22.391) -29.142,22.391 -29.142,24.199 cw(c-28.341,24.199) -28.341,25
GND on Bottom Layer "NONET_L02_P-001" (solid, remove dead copper, pour order 32): 15.169,-16.25 ccw(c15.169,-14.878) 16.541,-14.878 16.541,17.729 ccw(c15.169,17.729) 15.169,19.1 -4.372,19.1 ccw(c-4.372,17.729) -5.341,18.699 -15.848,8.192 ccw(c-14.878,7.222) -16.25,7.222 -16.25,-13.097 ccw(c-13.097,-13.097) -13.097,-16.25
GND on Bottom Layer "NONET_L02_P-001" (solid, remove dead copper, pour order 50): -29.453,-4.016 ccw(c-29.453,-2.533) -27.97,-2.533 -27.97,4.719 ccw(c-30.51,4.719) -30.51,7.259 -41.883,7.259 ccw(c-41.883,6.25) -42.892,6.25 -42.892,-3.369 ccw(c-42.245,-3.369) -42.245,-4.016
GND on Bottom Layer "NONET_L02_P-001" (solid, remove dead copper, pour order 47): 49.97,-24 27.11,-24 27.11,-8.76 49.97,-8.76
EARTH2 on Bottom Layer "NONET_L02_P-001" (solid, pour order 45): -50,28.067 50,28.067 50,30 -50,30
EARTH3 on Bottom Layer "NONET_L02_P-001" (solid, pour order 43): 50,-28.067 -50,-28.067 -50,-30 50,-30
GND on Bottom Layer "NONET_L02_P-001" (solid, remove dead copper, pour order 40): 51.384,8.915 51.384,28.95 31.661,28.95 31.661,8.915
GND on Bottom Layer "NONET_L02_P-001" (solid, remove dead copper, pour order 39): 48.886,0.739 44.527,0.739 ccw(c44.527,0.104) 44.078,0.553 40.869,-2.656 ccw(c41.318,-3.105) 40.683,-3.105 40.683,-7.339 ccw(c41.318,-7.339) 41.318,-7.974 47.415,-7.974 ccw(c47.415,-7.339) 48.05,-7.339 48.05,-5.796 49.285,-4.561 49.285,0.709
12V on Mid Layer 1 "NONET_L02_P-001" (solid, remove dead copper, pour order 33): -54.75,21.342 28.612,21.342 ccw(c28.612,23.983) 30.48,22.116 31.424,23.059 cw(c33.292,21.192) 33.292,23.833 36.347,23.833 cw(c36.347,22.464) 37.315,23.432 40.067,20.681 ccw(c41.613,22.227) 41.613,20.041 61.25,20.041 61.25,-32.25 20.325,-32.25 20.325,-9.117 -54.75,-9.117
GND on Mid Layer 1 "NONET_L02_P-001" (solid, remove dead copper, pour order 46): -51.85,35 -51.85,20.675 39.594,20.675 45.55,14.719 45.55,6.775 52.775,6.775 52.775,35
3V3 on Mid Layer 1 "NONET_L02_P-001" (solid, remove dead copper, pour order 31): 23.551,-10.855 cw(c21.683,-8.987) 21.683,-11.629 -20.908,-11.629 ccw(c-20.908,-26.768) -31.613,-16.063 cw(c-40.997,-6.68) -40.997,-19.95 -53.75,-19.95 -53.75,19.812 -45.372,19.812 cw(c-45.372,18.44) -44,18.44 -44,-5.771 ccw(c-42.628,-5.771) -42.628,-7.143 -32.961,-7.143 ccw(c-32.961,-1.175) -28.742,-5.395 -16.42,6.927 -10.752,12.591 cw(c-8.956,10.795) -8.956,13.335 4.575,13.335 12.909,5 39.259,5 cw(c39.259,2.46) 41.799,2.46 41.799,1.527 cw(c40.772,1.527) 40.772,0.5 35.958,0.5 ccw(c35.958,-2.04) 34.162,-0.244
GND on Mid Layer 2 "NONET_L02_P-001" (solid, remove dead copper, pour order 25): -50,30 -50,-30 50,-30 50,30

## Keep-outs
Keep-Out Layer:
  lines w0.001: -47.537,-22.1 -46.187,-22.1 -46.187,-25.9 -47.488,-25.9 -47.537,-25.9 -47.537,-28 -50,-28 -50,-30 50,-30 50,30 -50,30 -50,28 -47.537,28 -47.537,25.9 -46.187,25.9 -46.187,22.1 -47.487,22.1 -47.537,22.1 -47.537,13.9 ; -47.537,-22.1 -47.537,-13.9 -47.488,-13.9 -46.187,-13.9 -46.187,-10.1 -47.537,-10.1 ; -47.537,-22.1 -47.537,-22.1 ; -47.537,-10.1 -47.537,-1.9 -47.487,-1.9 -46.187,-1.9 -46.187,1.9 -47.537,1.9 ; -47.537,-10.1 -47.537,-10.1 ; -47.537,1.9 -47.537,10.1 -47.488,10.1 -46.187,10.1 -46.187,13.9 -47.537,13.9 ; -47.537,1.9 -47.537,1.9 ; -47.537,13.9 -47.537,13.9

## Other copper
Top Layer:
  rectangle net NetC28_2: -27.946,13.865 -25.054,24
  region net Vb: -5.843,24.378 cw(c-5.843,24.036) -5.5,24.036 -5.5,22.116 -14.135,22.116 cw(c-14.135,22.562) -14.581,22.562 -14.581,23.981 cw(c-14.182,23.981) -14.153,24.378
  region net 5V: 25.093,3.144 22.192,3.144 ccw(c22.192,2.748) 21.796,2.748 21.796,0.849 ccw(c22.095,0.849) 22.095,0.55 25.472,0.55 ccw(c25.472,0.907) 25.828,0.907 25.828,2.409 ccw(c25.093,2.409)
  region net 3V3: -33.352,-7.25 -36.253,-7.25 ccw(c-36.253,-7.646) -36.649,-7.646 -36.649,-9.545 ccw(c-36.35,-9.545) -36.35,-9.843 -32.974,-9.843 ccw(c-32.974,-9.487) -32.617,-9.487 -32.617,-7.985 ccw(c-33.352,-7.985)
  region net 12V: -38.574,-4.471 cw(c-38.574,-4.882) -38.163,-4.882 -38.163,-6.201 cw(c-38.605,-6.201) -38.605,-6.644 -41.724,-6.644 -41.983,-6.644 cw(c-41.983,-6.283) -42.343,-6.283 -42.343,-4.788 cw(c-42.026,-4.788) -42.026,-4.471
  region net 12V: 17,3.75 19.966,3.75 ccw(c19.966,4.113) 20.33,4.113 20.33,5.538 ccw(c19.945,5.538) 19.945,5.923 16.699,5.923 ccw(c16.699,5.605) 16.381,5.605 16.381,4.11 ccw(c16.742,4.11) 16.742,3.75
  region net 12V: -42.534,21.214 ccw(c-42.534,20.923) -42.824,20.923 -42.824,18.737 ccw(c-42.502,18.737) -42.502,18.415 -33.623,18.415 cw(c-33.623,17.323) -32.531,17.323 -32.531,13.818 ccw(c-32.277,13.818) -32.277,13.564 -29.625,13.564 ccw(c-29.625,13.886) -29.303,13.886 -29.303,19.278 ccw(c-31.239,19.278) -31.239,21.214
  region net 12V: 36.978,-3.931 38.495,-3.931 ccw(c38.495,-3.18) 39.027,-3.711 39.725,-3.013 ccw(c39.287,-2.575) 39.907,-2.575 39.907,-2.325 ccw(c39.636,-2.325) 39.827,-2.134 39.241,-1.547 ccw(c38.838,-1.95) 38.838,-1.38 37.504,-1.38 ccw(c37.504,-2.207) 36.678,-2.207 36.678,-3.636 ccw(c36.978,-3.636) 36.978,-3.937
  region net 12V_FL: 36.678,-4.623 cw(c36.933,-4.623) 36.933,-4.367 38.125,-4.367 cw(c38.125,-4.592) 38.35,-4.592 38.35,-6.8 36.678,-6.8 36.678,-6.245
  region net Vusb: 30.526,7.609 ccw(c30.845,7.609) 30.845,7.29 36.935,7.29 ccw(c36.935,9.83) 38.731,8.034 41.888,11.191 ccw(c40.303,12.776) 42.545,12.776 42.545,16.129 cw(c44.171,16.129) 44.171,17.755 47.458,17.755 ccw(c47.458,17.882) 47.585,17.882 47.585,20.177 ccw(c47.487,20.177) 47.487,20.274 43.286,20.274 ccw(c43.286,18.922) 42.33,19.878 40.843,18.391 ccw(c41.428,17.805) 40.6,17.805 40.6,13.644 cw(c38.767,13.644) 38.767,11.811 31.603,11.811 ccw(c31.603,10.734) 30.526,10.734
  region net NetC44_1: 40.273,24.409 40.273,24.094 ccw(c40.399,24.094) 40.399,23.968 43.189,23.968 cw(c43.189,23.418) 43.578,23.807 43.775,23.61 ccw(c44.097,23.932) 44.097,23.477 47.46,23.477 ccw(c47.46,23.59) 47.574,23.59 47.574,25.883 ccw(c47.447,25.883) 47.447,26.01 42.359,26.01 ccw(c42.359,25.864) 42.213,25.864 42.213,25.62 cw(c41.783,25.62) 42.087,25.316 41.696,24.925 cw(c41.287,25.333) 41.287,24.756 40.412,24.756 ccw(c40.412,24.617) 40.274,24.617
  region net 12V: 35.25,22.118 36.723,22.118 ccw(c36.723,23.089) 37.694,23.089 37.694,24.103 ccw(c37.55,24.103) 37.55,24.246 35.283,24.246 ccw(c35.283,23.807) 34.844,23.807 34.844,22.524 ccw(c35.25,22.524)
Mid Layer 1:
  rectangle net Vb: -14.675,21.85 -5.325,24.482
  rectangle net NetC25_1: -19.65,21.1 -16.85,23.9
  region net GND: 27.535,-7.15 28.314,-7.15 ccw(c28.314,-6.8) 28.663,-6.8 28.663,-5.228 ccw(c28.283,-5.228) 28.283,-4.847 26.696,-4.847 ccw(c26.696,-5.221) 26.322,-5.221 26.322,-6.892 ccw(c26.588,-6.892) 26.588,-7.158
  region net 12V_FL: 38.261,-4.73 38.261,-8.197 36.794,-8.197 36.794,-4.711 cw(c37.092,-4.711) 37.092,-4.412 37.943,-4.412 cw(c37.943,-4.73)
Mid Layer 2:
  rectangle net Vb: -14.675,21.775 -5.325,24.575
  rectangle net NetC25_1: -19.65,21.1 -16.85,23.9
  rectangle net 12V: 34.312,21.833 37.112,23.986
  rectangle net Vusb: 30.1,7.05 32.9,9.85
  rectangle net 12V: -42.65,18.412 -39.85,21.212
Bottom Layer:
  rectangle net Vusb: 30.609,7.416 32.407,9.484
  rectangle net 12V: 38.649,7.416 40.447,9.484
  rectangle net NetQ6_5,6: 33.149,6.219 37.821,9.481
  region net NetC25_1: -16.02,19.25 ccw(c-16.02,19.84) -15.429,19.84 -15.429,23.278 ccw(c-15.899,23.276) -15.902,23.746 -26.695,23.746 ccw(c-26.695,23.412) -27.029,23.412 -27.029,19.775 ccw(c-26.518,19.775) -26.518,19.263 -22.5,19.263 -22.5,19.25
  region net 12V: -42.038,20.975 ccw(c-42.038,20.594) -42.418,20.594 -42.418,18.992 ccw(c-42.067,18.992) -42.067,18.64 -40.464,18.64 ccw(c-40.464,19.017) -40.087,19.017 -40.087,20.662 ccw(c-40.4,20.662) -40.4,20.975
  region net GND: 41.605,4.775 41.148,4.775 ccw(c41.148,4.358) 40.732,4.358 40.732,2.943 ccw(c41.086,2.943) 41.086,2.589 42.629,2.589 ccw(c42.629,2.81) 42.85,2.81 42.85,4.392 ccw(c42.474,4.392) 42.474,4.769
  region net Vb: -8.358,16.65 ccw(c-8.358,17.336) -7.671,17.336 -7.671,17.671 cw(c-4.547,17.671) -6.756,19.88 -6.068,20.568 ccw(c-7.439,21.939) -5.5,21.939 -5.5,24 ccw(c-6,24) -6,24.5 -14.109,24.5 ccw(c-14.109,23.713) -14.896,23.713 -14.896,17.4 ccw(c-14.146,17.4) -14.146,16.65
  region net 12V: 35.219,23.597 ccw(c35.219,23.13) 34.752,23.13 34.752,10.562 ccw(c35.331,10.562) 35.331,9.982 37.832,9.982 cw(c37.832,9.376) 38.438,9.376 38.438,7.433 ccw(c38.635,7.433) 38.635,7.236 40.423,7.236 ccw(c40.423,7.404) 40.591,7.404 40.591,10.946 ccw(c39.472,10.946) 39.472,12.065 37.846,12.065 cw(c37.846,12.7) 37.211,12.7 37.211,22.962 ccw(c36.576,22.962) 36.576,23.597
Multi-Layer:
  pour cut-out: -29.195,15.894 ccw(c-29.195,15.557) -29.532,15.557 -29.532,15.533 ccw(c-29.142,15.533) -29.142,15.144 -28.195,15.144 ccw(c-28.195,15.557) -27.782,15.557 ccw(c-28.119,15.557) -28.119,15.894
  pour cut-out: -39.413,1.25 ccw(c-39.413,0.913) -39.75,0.913 -39.75,0.89 ccw(c-39.36,0.89) -39.36,0.5 -38.413,0.5 ccw(c-38.413,0.913) -38,0.913 ccw(c-38.337,0.913) -38.337,1.25
  pour cut-out: -50,27.9 50,27.9 50,28 -50,28
  pour cut-out: 50,-27.9 -50,-27.9 -50,-28 50,-28

## Silkscreen, mask and mechanical layers (free items; w line width, h text height)
Top Overlay:
  text "EBC UI / 2k23 v4.0.0" at 44.222,13.282 h0.8
Top Solder:
  region: 50,30 -50,30 -50,28.067 50,28.067
  rectangle: -50,-30 50,-28.067
Bottom Solder:
  rectangle: -50,28.067 50,30
  region: 50,-28.067 -50,-28.067 -50,-30 50,-30
Mechanical 2 Top:
  lines w0.05: -50,-28 50,-28 ; -50,28 50,28
Mechanical 2 Bottom:
  circle w0.254: c19.5,0 r1.5
  circle w0.254: c-19.5,0 r1.5
Mechanical 6:
  rectangle: -37.5,-7.5 37.5,7.5
Mechanical 13:
  rectangle: -20,-30 20,30
  rectangle: -36,-7.5 36,7.5
Mechanical 15:
  rectangle: -27.5,-10.5 -12.5,10.5
  lines w0.1: -50,-26.5 50,-26.5 ; -50,26.5 50,26.5